# KiCad board output.Panel_R0.5.1_300x300_2layer_step1_Modified.kicad_pcb (continued)
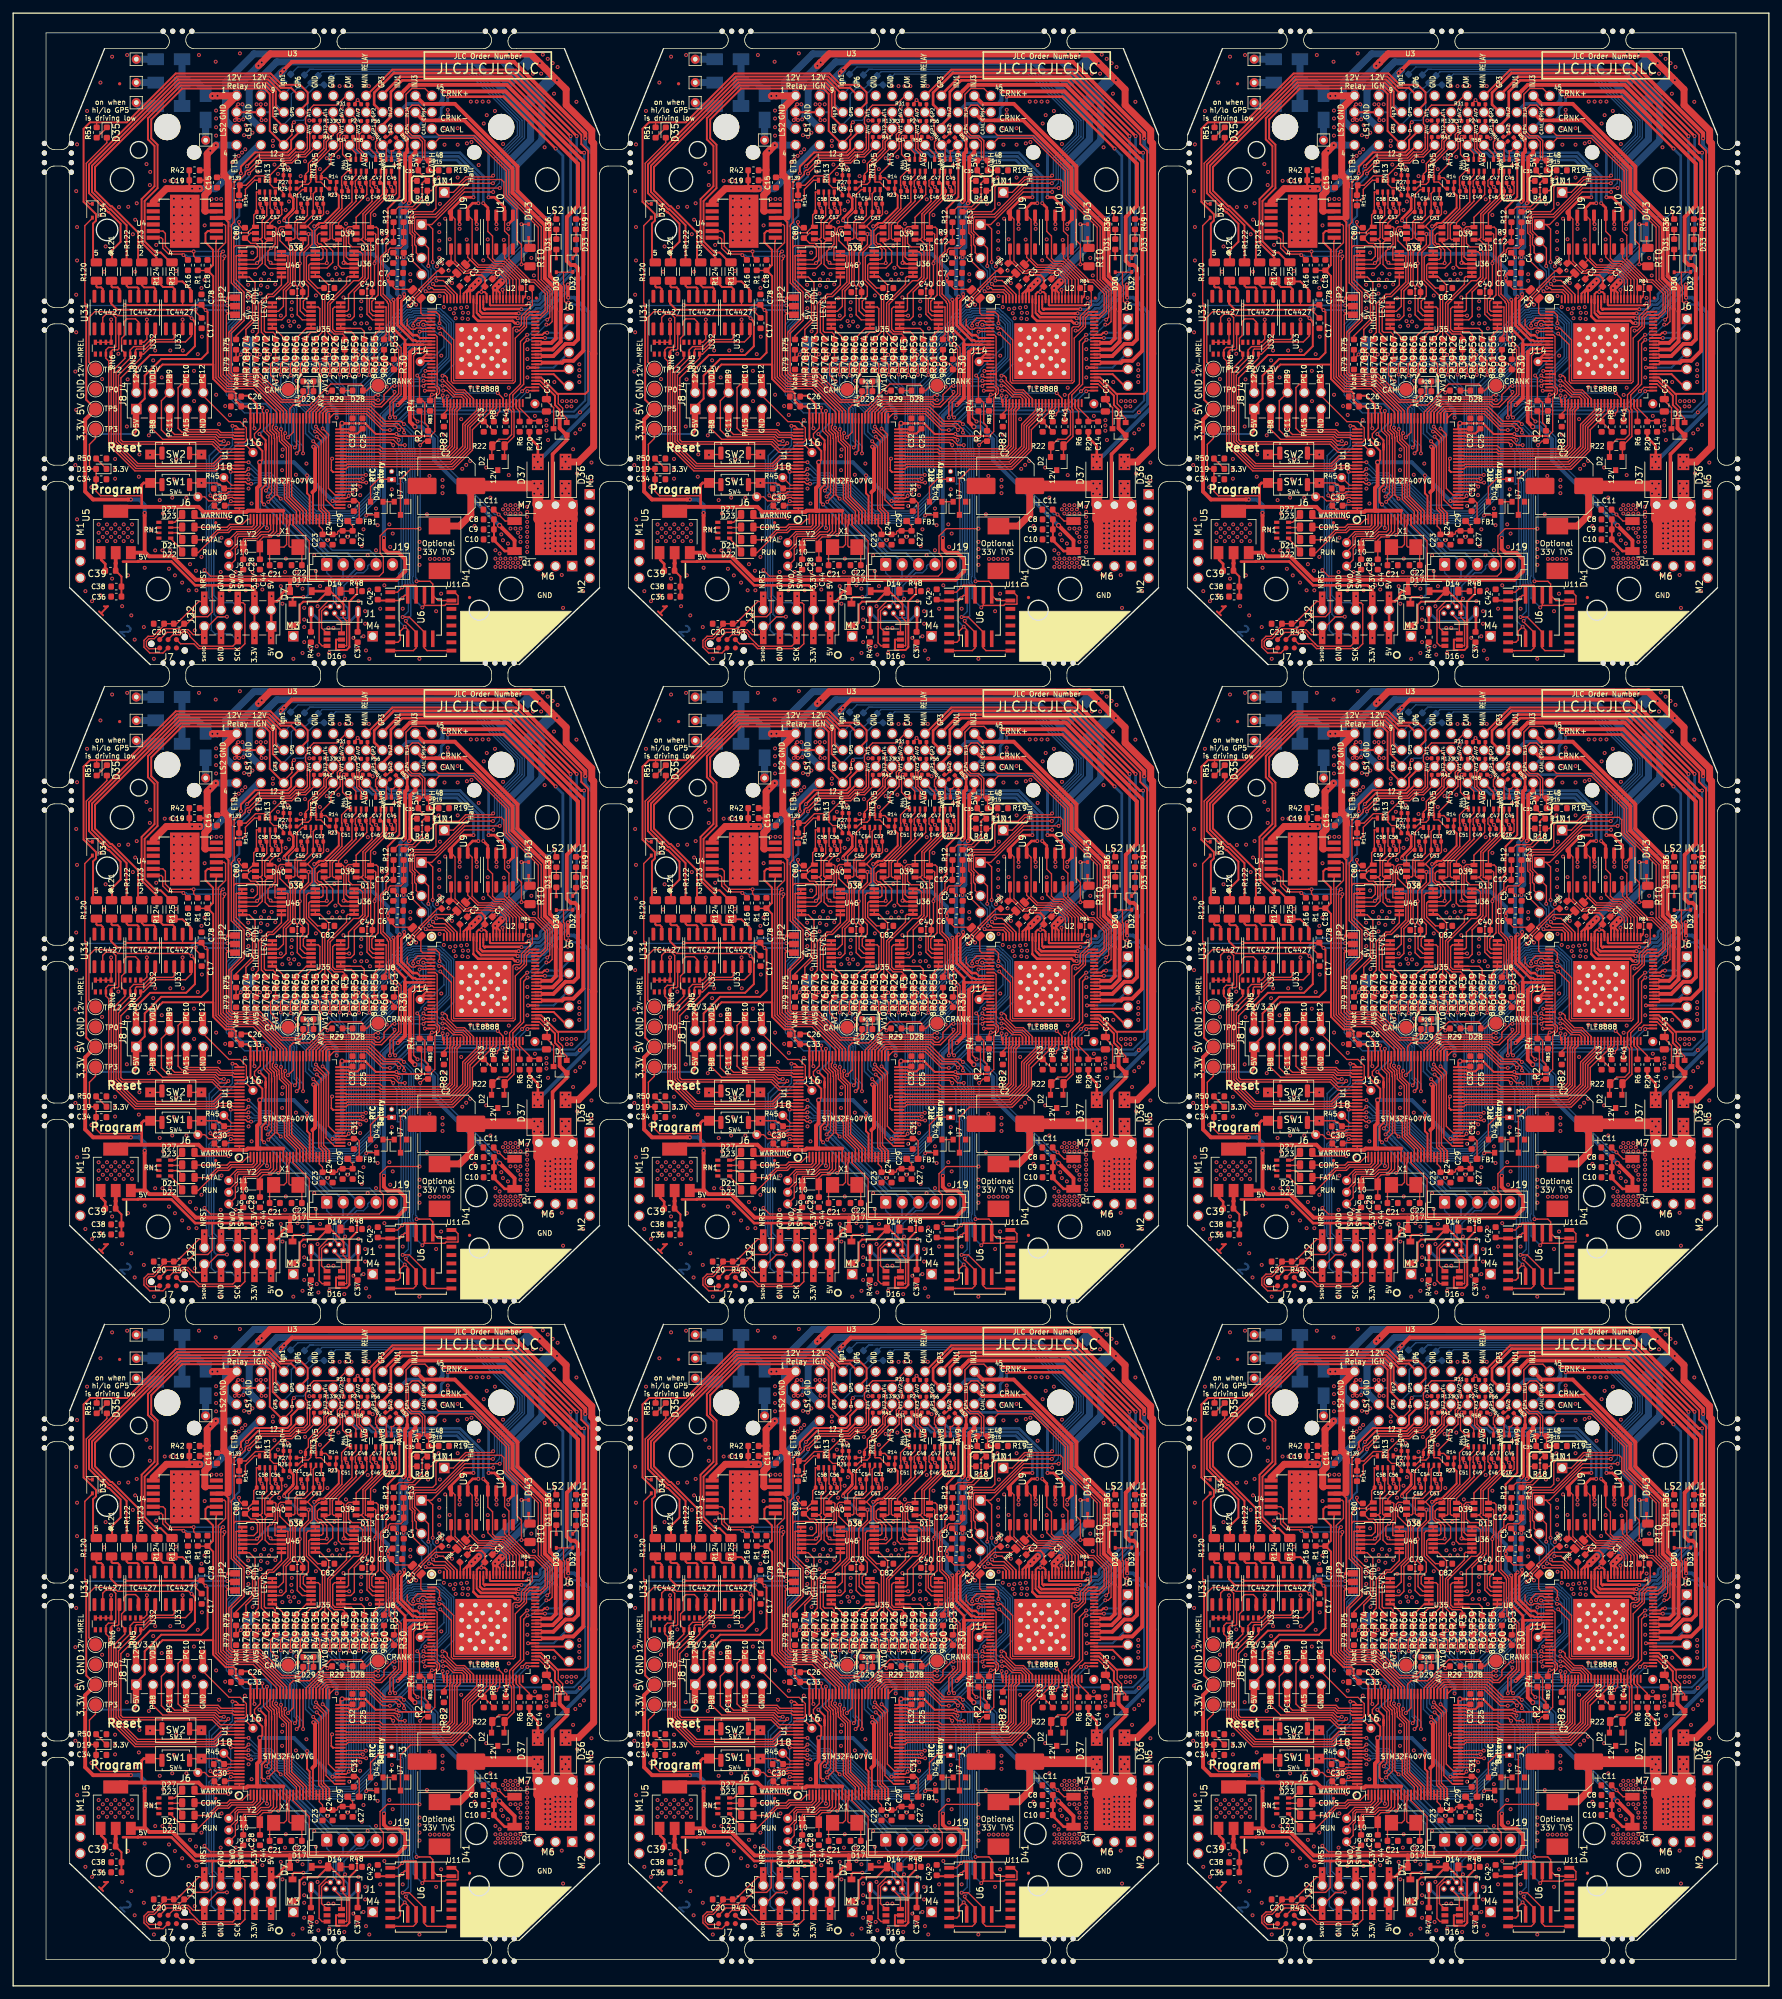
[diagram p0: board, top side]
## Nets (continued)
Net-(C50-Pad1): C50.1 C50#2.1 C50#3.1 C50#4.1 C50#5.1 C50#6.1 C50#7.1 C50#8.1 C50#9.1 D39.6 D39#2.6 D39#3.6 D39#4.6 D39#5.6 D39#6.6 D39#7.6 D39#8.6 D39#9.6 RN4.6 RN4#2.6 RN4#3.6 RN4#4.6 RN4#5.6 RN4#6.6 RN4#7.6 RN4#8.6 RN4#9.6 U36.5 U36#2.5 U36#3.5 U36#4.5 U36#5.5 U36#6.5 U36#7.5 U36#8.5 U36#9.5
Net-(C51-Pad1): C51.1 C51#2.1 C51#3.1 C51#4.1 C51#5.1 C51#6.1 C51#7.1 C51#8.1 C51#9.1 D39.4 D39#2.4 D39#3.4 D39#4.4 D39#5.4 D39#6.4 D39#7.4 D39#8.4 D39#9.4 RN4.5 RN4#2.5 RN4#3.5 RN4#4.5 RN4#5.5 RN4#6.5 RN4#7.5 RN4#8.5 RN4#9.5 U36.3 U36#2.3 U36#3.3 U36#4.3 U36#5.3 U36#6.3 U36#7.3 U36#8.3 U36#9.3
Net-(C52-Pad1): C52.1 C52#2.1 C52#3.1 C52#4.1 C52#5.1 C52#6.1 C52#7.1 C52#8.1 C52#9.1 D38.6 D38#2.6 D38#3.6 D38#4.6 D38#5.6 D38#6.6 D38#7.6 D38#8.6 D38#9.6 RN3.8 RN3#2.8 RN3#3.8 RN3#4.8 RN3#5.8 RN3#6.8 RN3#7.8 RN3#8.8 RN3#9.8 U35.5 U35#2.5 U35#3.5 U35#4.5 U35#5.5 U35#6.5 U35#7.5 U35#8.5 U35#9.5
Net-(C53-Pad1): C53.1 C53#2.1 C53#3.1 C53#4.1 C53#5.1 C53#6.1 C53#7.1 C53#8.1 C53#9.1 D38.4 D38#2.4 D38#3.4 D38#4.4 D38#5.4 D38#6.4 D38#7.4 D38#8.4 D38#9.4 RN3.7 RN3#2.7 RN3#3.7 RN3#4.7 RN3#5.7 RN3#6.7 RN3#7.7 RN3#8.7 RN3#9.7 U35.3 U35#2.3 U35#3.3 U35#4.3 U35#5.3 U35#6.3 U35#7.3 U35#8.3 U35#9.3
Net-(C54-Pad1): C54.1 C54#2.1 C54#3.1 C54#4.1 C54#5.1 C54#6.1 C54#7.1 C54#8.1 C54#9.1 D38.3 D38#2.3 D38#3.3 D38#4.3 D38#5.3 D38#6.3 D38#7.3 D38#8.3 D38#9.3 RN3.6 RN3#2.6 RN3#3.6 RN3#4.6 RN3#5.6 RN3#6.6 RN3#7.6 RN3#8.6 RN3#9.6 U35.12 U35#2.12 U35#3.12 U35#4.12 U35#5.12 U35#6.12 U35#7.12 U35#8.12 U35#9.12
Net-(C55-Pad1): C55.1 C55#2.1 C55#3.1 C55#4.1 C55#5.1 C55#6.1 C55#7.1 C55#8.1 C55#9.1 D38.1 D38#2.1 D38#3.1 D38#4.1 D38#5.1 D38#6.1 D38#7.1 D38#8.1 D38#9.1 RN3.5 RN3#2.5 RN3#3.5 RN3#4.5 RN3#5.5 RN3#6.5 RN3#7.5 RN3#8.5 RN3#9.5 U35.10 U35#2.10 U35#3.10 U35#4.10 U35#5.10 U35#6.10 U35#7.10 U35#8.10 U35#9.10
Net-(C56-Pad1): C56.1 C56#2.1 C56#3.1 C56#4.1 C56#5.1 C56#6.1 C56#7.1 C56#8.1 C56#9.1 D40.3 D40#2.3 D40#3.3 D40#4.3 D40#5.3 D40#6.3 D40#7.3 D40#8.3 D40#9.3 RN13.8 RN13#2.8 RN13#3.8 RN13#4.8 RN13#5.8 RN13#6.8 RN13#7.8 RN13#8.8 RN13#9.8 U46.12 U46#2.12 U46#3.12 U46#4.12 U46#5.12 U46#6.12 U46#7.12 U46#8.12 U46#9.12
Net-(C57-Pad1): C57.1 C57#2.1 C57#3.1 C57#4.1 C57#5.1 C57#6.1 C57#7.1 C57#8.1 C57#9.1 D40.1 D40#2.1 D40#3.1 D40#4.1 D40#5.1 D40#6.1 D40#7.1 D40#8.1 D40#9.1 RN13.7 RN13#2.7 RN13#3.7 RN13#4.7 RN13#5.7 RN13#6.7 RN13#7.7 RN13#8.7 RN13#9.7 U46.10 U46#2.10 U46#3.10 U46#4.10 U46#5.10 U46#6.10 U46#7.10 U46#8.10 U46#9.10
Net-(C58-Pad1): C58.1 C58#2.1 C58#3.1 C58#4.1 C58#5.1 C58#6.1 C58#7.1 C58#8.1 C58#9.1 D40.6 D40#2.6 D40#3.6 D40#4.6 D40#5.6 D40#6.6 D40#7.6 D40#8.6 D40#9.6 RN13.6 RN13#2.6 RN13#3.6 RN13#4.6 RN13#5.6 RN13#6.6 RN13#7.6 RN13#8.6 RN13#9.6 U46.5 U46#2.5 U46#3.5 U46#4.5 U46#5.5 U46#6.5 U46#7.5 U46#8.5 U46#9.5
Net-(D3-Pad2): D3.2 D3#2.2 D3#3.2 D3#4.2 D3#5.2 D3#6.2 D3#7.2 D3#8.2 D3#9.2 J5.1 J5#2.1 J5#3.1 J5#4.1 J5#5.1 J5#6.1 J5#7.1 J5#8.1 J5#9.1
Net-(D4-Pad2): D4.2 D4#2.2 D4#3.2 D4#4.2 D4#5.2 D4#6.2 D4#7.2 D4#8.2 D4#9.2 J3.1 J3#2.1 J3#3.1 J3#4.1 J3#5.1 J3#6.1 J3#7.1 J3#8.1 J3#9.1
Net-(D5-Pad2): D5.2 D5#2.2 D5#3.2 D5#4.2 D5#5.2 D5#6.2 D5#7.2 D5#8.2 D5#9.2 J13.1 J13#2.1 J13#3.1 J13#4.1 J13#5.1 J13#6.1 J13#7.1 J13#8.1 J13#9.1
Net-(D6-Pad2): D6.2 D6#2.2 D6#3.2 D6#4.2 D6#5.2 D6#6.2 D6#7.2 D6#8.2 D6#9.2 J12.1 J12#2.1 J12#3.1 J12#4.1 J12#5.1 J12#6.1 J12#7.1 J12#8.1 J12#9.1
Net-(D14-Pad1): D14.1 D14#2.1 D14#3.1 D14#4.1 D14#5.1 D14#6.1 D14#7.1 D14#8.1 D14#9.1 R48.2 R48#2.2 R48#3.2 R48#4.2 R48#5.2 R48#6.2 R48#7.2 R48#8.2 R48#9.2
Net-(D19-Pad1): D19.1 D19#2.1 D19#3.1 D19#4.1 D19#5.1 D19#6.1 D19#7.1 D19#8.1 D19#9.1 R50.2 R50#2.2 R50#3.2 R50#4.2 R50#5.2 R50#6.2 R50#7.2 R50#8.2 R50#9.2
Net-(D21-Pad1): D21.1 D21#2.1 D21#3.1 D21#4.1 D21#5.1 D21#6.1 D21#7.1 D21#8.1 D21#9.1 RN1.2 RN1#2.2 RN1#3.2 RN1#4.2 RN1#5.2 RN1#6.2 RN1#7.2 RN1#8.2 RN1#9.2
Net-(D22-Pad1): D22.1 D22#2.1 D22#3.1 D22#4.1 D22#5.1 D22#6.1 D22#7.1 D22#8.1 D22#9.1 RN1.1 RN1#2.1 RN1#3.1 RN1#4.1 RN1#5.1 RN1#6.1 RN1#7.1 RN1#8.1 RN1#9.1
Net-(D23-Pad1): D23.1 D23#2.1 D23#3.1 D23#4.1 D23#5.1 D23#6.1 D23#7.1 D23#8.1 D23#9.1 RN1.3 RN1#2.3 RN1#3.3 RN1#4.3 RN1#5.3 RN1#6.3 RN1#7.3 RN1#8.3 RN1#9.3
Net-(D27-Pad1): D27.1 D27#2.1 D27#3.1 D27#4.1 D27#5.1 D27#6.1 D27#7.1 D27#8.1 D27#9.1 RN1.4 RN1#2.4 RN1#3.4 RN1#4.4 RN1#5.4 RN1#6.4 RN1#7.4 RN1#8.4 RN1#9.4
Net-(D28-Pad1): D28.1 D28#2.1 D28#3.1 D28#4.1 D28#5.1 D28#6.1 D28#7.1 D28#8.1 D28#9.1 R29.1 R29#2.1 R29#3.1 R29#4.1 R29#5.1 R29#6.1 R29#7.1 R29#8.1 R29#9.1
Net-(D29-Pad1): D29.1 D29#2.1 D29#3.1 D29#4.1 D29#5.1 D29#6.1 D29#7.1 D29#8.1 D29#9.1 R28.2 R28#2.2 R28#3.2 R28#4.2 R28#5.2 R28#6.2 R28#7.2 R28#8.2 R28#9.2
Net-(D30-Pad1): D30.1 D30#2.1 D30#3.1 D30#4.1 D30#5.1 D30#6.1 D30#7.1 D30#8.1 D30#9.1 D31.2 D31#2.2 D31#3.2 D31#4.2 D31#5.2 D31#6.2 D31#7.2 D31#8.2 D31#9.2
Net-(D31-Pad1): D31.1 D31#2.1 D31#3.1 D31#4.1 D31#5.1 D31#6.1 D31#7.1 D31#8.1 D31#9.1 R36.1 R36#2.1 R36#3.1 R36#4.1 R36#5.1 R36#6.1 R36#7.1 R36#8.1 R36#9.1
Net-(D32-Pad1): D32.1 D32#2.1 D32#3.1 D32#4.1 D32#5.1 D32#6.1 D32#7.1 D32#8.1 D32#9.1 D33.2 D33#2.2 D33#3.2 D33#4.2 D33#5.2 D33#6.2 D33#7.2 D33#8.2 D33#9.2
Net-(D33-Pad1): D33.1 D33#2.1 D33#3.1 D33#4.1 D33#5.1 D33#6.1 D33#7.1 D33#8.1 D33#9.1 R49.1 R49#2.1 R49#3.1 R49#4.1 R49#5.1 R49#6.1 R49#7.1 R49#8.1 R49#9.1
Net-(D34-Pad1): D34.1 D34#2.1 D34#3.1 D34#4.1 D34#5.1 D34#6.1 D34#7.1 D34#8.1 D34#9.1 D35.2 D35#2.2 D35#3.2 D35#4.2 D35#5.2 D35#6.2 D35#7.2 D35#8.2 D35#9.2
Net-(D35-Pad1): D35.1 D35#2.1 D35#3.1 D35#4.1 D35#5.1 D35#6.1 D35#7.1 D35#8.1 D35#9.1 R51.1 R51#2.1 R51#3.1 R51#4.1 R51#5.1 R51#6.1 R51#7.1 R51#8.1 R51#9.1
Net-(D43-Pad1): D43.1 D43#2.1 D43#3.1 D43#4.1 D43#5.1 D43#6.1 D43#7.1 D43#8.1 D43#9.1 R10.1 R10#2.1 R10#3.1 R10#4.1 R10#5.1 R10#6.1 R10#7.1 R10#8.1 R10#9.1
Net-(NT1-Pad1): NT1.1 NT1#2.1 NT1#3.1 NT1#4.1 NT1#5.1 NT1#6.1 NT1#7.1 NT1#8.1 NT1#9.1 U1.68 U1#2.68 U1#3.68 U1#4.68 U1#5.68 U1#6.68 U1#7.68 U1#8.68 U1#9.68
Net-(R5-Pad2): R5.2 R5#2.2 R5#3.2 R5#4.2 R5#5.2 R5#6.2 R5#7.2 R5#8.2 R5#9.2 U36.13 U36.14 U36#2.13 U36#2.14 U36#3.13 U36#3.14 U36#4.13 U36#4.14 U36#5.13 U36#5.14 U36#6.13 U36#6.14 U36#7.13 U36#7.14 U36#8.13 U36#8.14 U36#9.13 U36#9.14
Net-(R8-Pad2): R8.2 R8#2.2 R8#3.2 R8#4.2 R8#5.2 R8#6.2 R8#7.2 R8#8.2 R8#9.2 U2.42 U2#2.42 U2#3.42 U2#4.42 U2#5.42 U2#6.42 U2#7.42 U2#8.42 U2#9.42
Net-(R26-Pad2): R26.2 R26#2.2 R26#3.2 R26#4.2 R26#5.2 R26#6.2 R26#7.2 R26#8.2 R26#9.2 U36.8 U36.9 U36#2.8 U36#2.9 U36#3.8 U36#3.9 U36#4.8 U36#4.9 U36#5.8 U36#5.9 U36#6.8 U36#6.9 U36#7.8 U36#7.9 U36#8.8 U36#8.9 U36#9.8 U36#9.9
Net-(R32-Pad2): R32.2 R32#2.2 R32#3.2 R32#4.2 R32#5.2 R32#6.2 R32#7.2 R32#8.2 R32#9.2 U36.6 U36.7 U36#2.6 U36#2.7 U36#3.6 U36#3.7 U36#4.6 U36#4.7 U36#5.6 U36#5.7 U36#6.6 U36#6.7 U36#7.6 U36#7.7 U36#8.6 U36#8.7 U36#9.6 U36#9.7
Net-(R35-Pad2): R35.2 R35#2.2 R35#3.2 R35#4.2 R35#5.2 R35#6.2 R35#7.2 R35#8.2 R35#9.2 U36.1 U36.2 U36#2.1 U36#2.2 U36#3.1 U36#3.2 U36#4.1 U36#4.2 U36#5.1 U36#5.2 U36#6.1 U36#6.2 U36#7.1 U36#7.2 U36#8.1 U36#8.2 U36#9.1 U36#9.2
Net-(R53-Pad2): R53.2 R53#2.2 R53#3.2 R53#4.2 R53#5.2 R53#6.2 R53#7.2 R53#8.2 R53#9.2 U8.6 U8.7 U8#2.6 U8#2.7 U8#3.6 U8#3.7 U8#4.6 U8#4.7 U8#5.6 U8#5.7 U8#6.6 U8#6.7 U8#7.6 U8#7.7 U8#8.6 U8#8.7 U8#9.6 U8#9.7
Net-(R55-Pad2): R55.2 R55#2.2 R55#3.2 R55#4.2 R55#5.2 R55#6.2 R55#7.2 R55#8.2 R55#9.2 U8.1 U8.2 U8#2.1 U8#2.2 U8#3.1 U8#3.2 U8#4.1 U8#4.2 U8#5.1 U8#5.2 U8#6.1 U8#6.2 U8#7.1 U8#7.2 U8#8.1 U8#8.2 U8#9.1 U8#9.2
Net-(R57-Pad2): R57.2 R57#2.2 R57#3.2 R57#4.2 R57#5.2 R57#6.2 R57#7.2 R57#8.2 R57#9.2 U8.13 U8.14 U8#2.13 U8#2.14 U8#3.13 U8#3.14 U8#4.13 U8#4.14 U8#5.13 U8#5.14 U8#6.13 U8#6.14 U8#7.13 U8#7.14 U8#8.13 U8#8.14 U8#9.13 U8#9.14
Net-(R59-Pad2): R59.2 R59#2.2 R59#3.2 R59#4.2 R59#5.2 R59#6.2 R59#7.2 R59#8.2 R59#9.2 U8.8 U8.9 U8#2.8 U8#2.9 U8#3.8 U8#3.9 U8#4.8 U8#4.9 U8#5.8 U8#5.9 U8#6.8 U8#6.9 U8#7.8 U8#7.9 U8#8.8 U8#8.9 U8#9.8 U8#9.9
Net-(R64-Pad2): R64.2 R64#2.2 R64#3.2 R64#4.2 R64#5.2 R64#6.2 R64#7.2 R64#8.2 R64#9.2 U35.6 U35.7 U35#2.6 U35#2.7 U35#3.6 U35#3.7 U35#4.6 U35#4.7 U35#5.6 U35#5.7 U35#6.6 U35#6.7 U35#7.6 U35#7.7 U35#8.6 U35#8.7 U35#9.6 U35#9.7
Net-(R65-Pad2): R65.2 R65#2.2 R65#3.2 R65#4.2 R65#5.2 R65#6.2 R65#7.2 R65#8.2 R65#9.2 U35.1 U35.2 U35#2.1 U35#2.2 U35#3.1 U35#3.2 U35#4.1 U35#4.2 U35#5.1 U35#5.2 U35#6.1 U35#6.2 U35#7.1 U35#7.2 U35#8.1 U35#8.2 U35#9.1 U35#9.2
Net-(R66-Pad2): R66.2 R66#2.2 R66#3.2 R66#4.2 R66#5.2 R66#6.2 R66#7.2 R66#8.2 R66#9.2 U35.13 U35.14 U35#2.13 U35#2.14 U35#3.13 U35#3.14 U35#4.13 U35#4.14 U35#5.13 U35#5.14 U35#6.13 U35#6.14 U35#7.13 U35#7.14 U35#8.13 U35#8.14 U35#9.13 U35#9.14
Net-(R67-Pad2): R67.2 R67#2.2 R67#3.2 R67#4.2 R67#5.2 R67#6.2 R67#7.2 R67#8.2 R67#9.2 U35.8 U35.9 U35#2.8 U35#2.9 U35#3.8 U35#3.9 U35#4.8 U35#4.9 U35#5.8 U35#5.9 U35#6.8 U35#6.9 U35#7.8 U35#7.9 U35#8.8 U35#8.9 U35#9.8 U35#9.9
Net-(R72-Pad2): R72.2 R72#2.2 R72#3.2 R72#4.2 R72#5.2 R72#6.2 R72#7.2 R72#8.2 R72#9.2 U46.13 U46.14 U46#2.13 U46#2.14 U46#3.13 U46#3.14 U46#4.13 U46#4.14 U46#5.13 U46#5.14 U46#6.13 U46#6.14 U46#7.13 U46#7.14 U46#8.13 U46#8.14 U46#9.13 U46#9.14
Net-(R73-Pad2): R73.2 R73#2.2 R73#3.2 R73#4.2 R73#5.2 R73#6.2 R73#7.2 R73#8.2 R73#9.2 U46.8 U46.9 U46#2.8 U46#2.9 U46#3.8 U46#3.9 U46#4.8 U46#4.9 U46#5.8 U46#5.9 U46#6.8 U46#6.9 U46#7.8 U46#7.9 U46#8.8 U46#8.9 U46#9.8 U46#9.9
Net-(R74-Pad2): R74.2 R74#2.2 R74#3.2 R74#4.2 R74#5.2 R74#6.2 R74#7.2 R74#8.2 R74#9.2 U46.6 U46.7 U46#2.6 U46#2.7 U46#3.6 U46#3.7 U46#4.6 U46#4.7 U46#5.6 U46#5.7 U46#6.6 U46#6.7 U46#7.6 U46#7.7 U46#8.6 U46#8.7 U46#9.6 U46#9.7
Net-(R75-Pad2): R75.2 R75#2.2 R75#3.2 R75#4.2 R75#5.2 R75#6.2 R75#7.2 R75#8.2 R75#9.2 U46.1 U46.2 U46#2.1 U46#2.2 U46#3.1 U46#3.2 U46#4.1 U46#4.2 U46#5.1 U46#5.2 U46#6.1 U46#6.2 U46#7.1 U46#7.2 U46#8.1 U46#8.2 U46#9.1 U46#9.2
Net-(R120-Pad2): R120.2 R120#2.2 R120#3.2 R120#4.2 R120#5.2 R120#6.2 R120#7.2 R120#8.2 R120#9.2 U31.7 U31#2.7 U31#3.7 U31#4.7 U31#5.7 U31#6.7 U31#7.7 U31#8.7 U31#9.7
Net-(R121-Pad2): R121.2 R121#2.2 R121#3.2 R121#4.2 R121#5.2 R121#6.2 R121#7.2 R121#8.2 R121#9.2 U31.5 U31#2.5 U31#3.5 U31#4.5 U31#5.5 U31#6.5 U31#7.5 U31#8.5 U31#9.5
Net-(R122-Pad2): R122.2 R122#2.2 R122#3.2 R122#4.2 R122#5.2 R122#6.2 R122#7.2 R122#8.2 R122#9.2 U32.7 U32#2.7 U32#3.7 U32#4.7 U32#5.7 U32#6.7 U32#7.7 U32#8.7 U32#9.7
Net-(R123-Pad2): R123.2 R123#2.2 R123#3.2 R123#4.2 R123#5.2 R123#6.2 R123#7.2 R123#8.2 R123#9.2 U32.5 U32#2.5 U32#3.5 U32#4.5 U32#5.5 U32#6.5 U32#7.5 U32#8.5 U32#9.5
Net-(R124-Pad2): R124.2 R124#2.2 R124#3.2 R124#4.2 R124#5.2 R124#6.2 R124#7.2 R124#8.2 R124#9.2 U33.7 U33#2.7 U33#3.7 U33#4.7 U33#5.7 U33#6.7 U33#7.7 U33#8.7 U33#9.7
Net-(R125-Pad2): R125.2 R125#2.2 R125#3.2 R125#4.2 R125#5.2 R125#6.2 R125#7.2 R125#8.2 R125#9.2 U33.5 U33#2.5 U33#3.5 U33#4.5 U33#5.5 U33#6.5 U33#7.5 U33#8.5 U33#9.5
Net-(R139-Pad1): R139.1 R139#2.1 R139#3.1 R139#4.1 R139#5.1 R139#6.1 R139#7.1 R139#8.1 R139#9.1 R141.1 R141#2.1 R141#3.1 R141#4.1 R141#5.1 R141#6.1 R141#7.1 R141#8.1 R141#9.1 RN13.3 RN13#2.3 RN13#3.3 RN13#4.3 RN13#5.3 RN13#6.3 RN13#7.3 RN13#8.3 RN13#9.3

Pads without a net: J15 1; J15#2 1; J15#3 1; J15#4 1; J15#5 1; J15#6 1; J15#7 1; J15#8 1; J15#9 1; J17 1; J17#2 1; J17#3 1; J17#4 1; J17#5 1; J17#6 1; J17#7 1; J17#8 1; J17#9 1; RN6 5 6; RN6#2 5 6; RN6#3 5 6; RN6#4 5 6; RN6#5 5 6; RN6#6 5 6; RN6#7 5 6; RN6#8 5 6; RN6#9 5 6; U2 17 18 69 70 71 72; U2#2 17 18 69 70 71 72; U2#3 17 18 69 70 71 72; U2#4 17 18 69 70 71 72; U2#5 17 18 69 70 71 72; U2#6 17 18 69 70 71 72; U2#7 17 18 69 70 71 72; U2#8 17 18 69 70 71 72; U2#9 17 18 69 70 71 72; U3 M3 M4 M11 M12 M13 M21 M22 M23 M51 M52 M53 M61 M62 M63; U3#2 M3 M4 M11 M12 M13 M21 M22 M23 M51 M52 M53 M61 M62 M63; U3#3 M3 M4 M11 M12 M13 M21 M22 M23 M51 M52 M53 M61 M62 M63; U3#4 M3 M4 M11 M12 M13 M21 M22 M23 M51 M52 M53 M61 M62 M63; U3#5 M3 M4 M11 M12 M13 M21 M22 M23 M51 M52 M53 M61 M62 M63; U3#6 M3 M4 M11 M12 M13 M21 M22 M23 M51 M52 M53 M61 M62 M63; U3#7 M3 M4 M11 M12 M13 M21 M22 M23 M51 M52 M53 M61 M62 M63; U3#8 M3 M4 M11 M12 M13 M21 M22 M23 M51 M52 M53 M61 M62 M63; U3#9 M3 M4 M11 M12 M13 M21 M22 M23 M51 M52 M53 M61 M62 M63; U9 2 4; U9#2 2 4; U9#3 2 4; U9#4 2 4; U9#5 2 4; U9#6 2 4; U9#7 2 4; U9#8 2 4; U9#9 2 4; U10 2 4; U10#2 2 4; U10#3 2 4; U10#4 2 4; U10#5 2 4; U10#6 2 4; U10#7 2 4; U10#8 2 4; U10#9 2 4; U11 3 4 5 6 11 12 13 14; U11#2 3 4 5 6 11 12 13 14; U11#3 3 4 5 6 11 12 13 14; U11#4 3 4 5 6 11 12 13 14; U11#5 3 4 5 6 11 12 13 14; U11#6 3 4 5 6 11 12 13 14; U11#7 3 4 5 6 11 12 13 14; U11#8 3 4 5 6 11 12 13 14; U11#9 3 4 5 6 11 12 13 14; U31 1 8; U31#2 1 8; U31#3 1 8; U31#4 1 8; U31#5 1 8; U31#6 1 8; U31#7 1 8; U31#8 1 8; U31#9 1 8; U32 1 8; U32#2 1 8; U32#3 1 8; U32#4 1 8; U32#5 1 8; U32#6 1 8; U32#7 1 8; U32#8 1 8; U32#9 1 8; U33 1 8; U33#2 1 8; U33#3 1 8; U33#4 1 8; U33#5 1 8; U33#6 1 8; U33#7 1 8; U33#8 1 8; U33#9 1 8

## Via types
v1: diameter 0.6, hole 0.3, Top to Bottom, 7569 vias
v2: diameter 0.79, hole 0.434, Top to Bottom, 36 vias

## Routing (per net, layer and track width the routed paths; a pad name or vN(x,y) marks a point on that pad's centre or on a via; arc(x,y) is an arc through that point)
/5V: length 4141.5
  Top w0.203: v1(169.44,255.99) 169.02,255.99 168.84,256.17 168.84,258.57 168.7,258.72 168.7,260.6 ; 168.7,260.6 D30#2.2 ; 168.7,260.6 170.05,260.6 D32#2.2 ; v1(132.7,262) 132.58,261.88 U36#2.4 ; 110.7,255.6 110.77,255.67 U33#2.6 ; 145.89,257.81 145.7,258 143.15,258 142.72,258.43 142.72,258.9 ; v1(117.58,254.67) 118.12,254.13 JP2#2.1 ; U46#2.4 121.92,261.82 v1(122.1,262) ; 105.3,255.6 105.33,255.63 U32#2.6 ; v1(254.44,255.99) 254.02,255.99 253.84,256.17 253.84,258.57 253.7,258.72 253.7,260.6 ; 253.7,260.6 D30#3.2 ; 253.7,260.6 255.05,260.6 D32#3.2 ; v1(217.7,262) 217.58,261.88 U36#3.4 ; U33#3.6 195.77,255.67 195.7,255.6 ; v1(202.58,254.67) 203.12,254.13 JP2#3.1 ; 230.89,257.81 230.7,258 228.15,258 227.73,258.43 227.73,258.9 ; v1(207.1,262) 206.92,261.82 U46#3.4 ; 190.3,255.6 190.33,255.63 U32#3.6 ; v1(254.44,158.99) 254.02,158.99 253.84,159.17 253.84,161.57 253.7,161.72 253.7,163.6 ; 253.7,163.6 D30#5.2 ; 253.7,163.6 255.05,163.6 D32#5.2 ; v1(169.44,158.99) 169.02,158.99 168.84,159.17 168.84,161.57 168.7,161.72 168.7,163.6 ; 168.7,163.6 D30#4.2 ; 168.7,163.6 170.05,163.6 D32#4.2 ; v1(84.44,158.99) 84.02,158.99 83.84,159.17 83.84,161.57 83.7,161.72 83.7,163.6 ; 83.7,163.6 D30#6.2 ; 83.7,163.6 85.05,163.6 D32#6.2 ; v1(47.7,165) 47.58,164.88 U36#6.4 ; 25.7,158.6 25.77,158.67 U33#6.6 ; 60.89,160.81 60.7,161 58.15,161 57.72,161.43 57.72,161.9 ; v1(32.58,157.67) 33.11,157.13 JP2#6.1 ; U46#6.4 36.92,164.82 v1(37.1,165) ; 20.3,158.6 20.33,158.63 U32#6.6 ; v1(132.7,165) 132.58,164.88 U36#4.4 ; U33#5.6 110.77,158.67 110.7,158.6 ; v1(117.58,157.67) 118.12,157.13 JP2#4.1 ; 145.89,160.81 145.7,161 143.15,161 142.72,161.43 142.72,161.9 ; v1(122.1,165) 121.92,164.82 U46#4.4 ; 105.3,158.6 105.33,158.63 U32#5.6 ; v1(217.7,165) 217.58,164.88 U36#5.4 ; U33#4.6 195.77,158.67 195.7,158.6 ; v1(202.58,157.67) 203.12,157.13 JP2#5.1 ; 190.3,158.6 190.33,158.63 U32#4.6 ; 230.89,160.81 230.7,161 228.15,161 227.73,161.43 227.73,161.9 ; U46#5.4 206.92,164.82 v1(207.1,165) ; v1(254.44,61.99) 254.02,61.99 253.84,62.17 253.84,64.57 253.7,64.72 253.7,66.6 ; 253.7,66.6 D30#7.2 ; 253.7,66.6 255.05,66.6 D32#8.2 ; 168.7,66.6 168.7,64.72 168.84,64.57 168.84,62.17 169.02,61.99 v1(169.44,61.99) ; 168.7,66.6 D30#8.2 ; 168.7,66.6 170.05,66.6 D32#7.2 ; v1(84.44,61.99) 84.02,61.99 83.84,62.17 83.84,64.57 83.7,64.72 83.7,66.6 ; 83.7,66.6 D30#9.2 ; 83.7,66.6 85.05,66.6 D32#9.2 ; v1(47.7,68) 47.58,67.88 U36#9.4 ; 25.7,61.6 25.77,61.67 U33#9.6 ; v1(32.58,60.67) 33.11,60.13 JP2#9.1 ; U46#9.4 36.92,67.82 v1(37.1,68) ; 20.3,61.6 20.33,61.63 U32#9.6 ; 57.72,64.9 57.72,64.43 58.15,64 60.7,64 60.89,63.81 ; v1(132.7,68) 132.58,67.88 U36#8.4 ; U33#8.6 110.77,61.67 110.7,61.6 ; v1(117.58,60.67) 118.12,60.13 JP2#7.1 ; 145.89,63.81 145.7,64 143.15,64 142.72,64.43 142.72,64.9 ; v1(122.1,68) 121.92,67.82 U46#8.4 ; U32#8.6 105.33,61.63 105.3,61.6 ; v1(202.58,60.67) 203.12,60.13 JP2#8.1 ; v1(217.7,68) 217.58,67.88 U36#7.4 ; U33#7.6 195.77,61.67 195.7,61.6 ; 227.73,64.9 227.73,64.43 228.15,64 230.7,64 230.89,63.81 ; 190.3,61.6 190.33,61.63 U32#7.6 ; U46#7.4 206.92,67.82 v1(207.1,68) ; U32.6 20.33,255.63 20.3,255.6 ; D30.2 83.7,260.6 ; 83.7,260.6 85.05,260.6 D32.2 ; 83.7,260.6 83.7,258.72 83.84,258.57 83.84,256.17 84.02,255.99 v1(84.44,255.99) ; U33.6 25.77,255.67 25.7,255.6 ; v1(32.58,254.67) 33.11,254.13 JP2.1 ; 57.72,258.9 57.72,258.43 58.15,258 60.7,258 60.89,257.81 ; U36.4 47.58,261.88 v1(47.7,262) ; v1(37.1,262) 36.92,261.82 U46.4
  Top w0.216: R14#2.2 134.06,274.2 R23#2.2 ; v1(117.58,254.67) 117.58,254.24 117.43,254.1 117.43,245.09 118.15,244.37 122.21,244.37 125.74,240.83 128.63,240.83 129.9,242.1 129.9,243.65 129.55,244 D29#2.2 ; R11#2.2 127.08,273.27 R25#2.2 R27#2.2 127.12,275.3 R40#2.2 ; v1(122.1,262) 122.52,262.42 122.52,264.38 121.91,264.99 121.14,264.99 120.35,265.78 121.12,266.56 D40#2.5 ; U36#2.4 130.18,261.88 129.96,261.67 129.96,259.54 131.3,258.2 132.16,258.2 ; 129.09,266.65 129.33,266.41 v1(129.91,266.41) 129.91,264.83 128.6,263.52 128.6,262 ; 139.95,262.35 v1(139.95,261.95) ; 139.95,262.35 139.95,258.65 139.64,258.34 C40#2.1 139.64,256.99 139.17,256.52 139.17,254.53 139.69,254.01 140.71,254.01 U8#2.4 ; 139.95,262.35 140.14,262.54 140.14,266.36 140,266.5 D13#2.5 ; 128.6,262 128.6,258.57 129.03,258.14 C79#2.1 129.03,256.88 128.65,256.5 128.65,254.72 129.37,254.01 U35#2.4 ; 128.6,262 v1(128.6,261.95) ; v1(132.7,262) 132.7,264 131.8,264.9 131.5,264.9 131.25,265.15 131.25,266.2 131.55,266.5 132.56,266.5 ; v1(96.1,255.54) 95.9,255.92 95.9,267.68 97.05,268.82 D34#2.2 ; R14#3.2 219.06,274.2 R23#3.2 ; R11#3.2 212.08,273.27 R25#3.2 R27#3.2 212.12,275.3 R40#3.2 ; D29#3.2 214.55,244 214.9,243.65 214.9,242.1 213.63,240.83 210.74,240.83 207.21,244.37 203.15,244.37 202.43,245.09 202.43,254.1 202.58,254.24 v1(202.58,254.67) ; v1(207.1,262) 207.52,262.42 207.52,264.38 206.91,264.99 206.14,264.99 205.35,265.78 206.12,266.56 D40#3.5 ; U36#3.4 215.18,261.88 214.96,261.67 214.96,259.54 216.3,258.2 217.16,258.2 ; 214.09,266.65 214.33,266.41 v1(214.91,266.41) 214.91,264.83 213.6,263.52 213.6,262 ; v1(217.7,262) 217.7,264 216.8,264.9 216.5,264.9 216.25,265.15 216.25,266.2 216.55,266.5 217.56,266.5 ; 213.6,262 213.6,258.57 214.03,258.14 C79#3.1 214.03,256.88 213.65,256.5 213.65,254.72 214.37,254.01 U35#3.4 ; 213.6,262 v1(213.6,261.95) ; 224.95,262.35 v1(224.95,261.95) ; 224.95,262.35 224.95,258.65 224.64,258.34 C40#3.1 224.64,256.99 224.17,256.52 224.17,254.53 224.69,254.01 225.71,254.01 U8#3.4 ; 224.95,262.35 225.14,262.54 225.14,266.36 225,266.5 D13#3.5 ; v1(181.1,255.54) 180.9,255.92 180.9,267.68 182.05,268.82 D34#3.2 ; R11#5.2 212.08,176.27 R25#5.2 R27#5.2 212.12,178.3 R40#5.2 ; R14#5.2 219.06,177.2 R23#5.2 ; D29#5.2 214.55,147 214.9,146.65 214.9,145.1 213.63,143.83 210.74,143.83 207.21,147.37 203.15,147.37 202.43,148.09 202.43,157.1 202.58,157.24 v1(202.58,157.67) ; v1(207.1,165) 207.52,165.42 207.52,167.38 206.91,167.99 206.14,167.99 205.35,168.78 206.12,169.56 D40#5.5 ; R14#6.2 134.06,177.2 R23#6.2 ; R11#6.2 127.08,176.27 R25#6.2 R27#6.2 127.12,178.3 R40#6.2 ; D29#6.2 129.55,147 129.9,146.65 129.9,145.1 128.63,143.83 125.74,143.83 122.21,147.37 118.15,147.37 117.43,148.09 117.43,157.1 117.58,157.24 v1(117.58,157.67) ; v1(122.1,165) 122.52,165.42 122.52,167.38 121.91,167.99 121.14,167.99 120.35,168.78 121.12,169.56 D40#6.5 ; R14#4.2 49.06,177.2 R23#4.2 ; v1(32.58,157.67) 32.58,157.24 32.43,157.1 32.43,148.09 33.15,147.37 37.21,147.37 40.74,143.83 43.63,143.83 44.9,145.1 44.9,146.65 44.55,147 D29#4.2 ; R11#4.2 42.08,176.27 R25#4.2 R27#4.2 42.12,178.3 R40#4.2 ; v1(37.1,165) 37.52,165.42 37.52,167.38 36.91,167.99 36.14,167.99 35.35,168.78 36.12,169.56 D40#4.5 ; U36#6.4 45.18,164.88 44.96,164.67 44.96,162.54 46.3,161.2 47.16,161.2 ; 44.09,169.65 44.33,169.41 v1(44.91,169.41) 44.91,167.83 43.6,166.52 43.6,165 ; 54.95,165.35 v1(54.95,164.95) ; 54.95,165.35 54.95,161.65 54.64,161.34 C40#6.1 54.64,159.99 54.17,159.52 54.17,157.53 54.69,157.01 55.71,157.01 U8#6.4 ; 54.95,165.35 55.14,165.54 55.14,169.36 55,169.5 D13#4.5 ; 43.6,165 43.6,161.57 44.03,161.14 C79#6.1 44.03,159.88 43.65,159.5 43.65,157.72 44.37,157.01 U35#4.4 ; 43.6,165 v1(43.6,164.95) ; v1(47.7,165) 47.7,167 46.8,167.9 46.5,167.9 46.25,168.15 46.25,169.2 46.55,169.5 47.56,169.5 ; v1(11.1,158.54) 10.9,158.92 10.9,170.68 12.05,171.82 D34#6.2 ; U36#4.4 130.18,164.88 129.96,164.67 129.96,162.54 131.3,161.2 132.16,161.2 ; 129.09,169.65 129.33,169.41 v1(129.91,169.41) 129.91,167.83 128.6,166.52 128.6,165 ; v1(132.7,165) 132.7,167 131.8,167.9 131.5,167.9 131.25,168.15 131.25,169.2 131.55,169.5 132.56,169.5 ; 128.6,165 128.6,161.57 129.03,161.14 C79#4.1 129.03,159.88 128.65,159.5 128.65,157.72 129.37,157.01 U35#6.4 ; 128.6,165 v1(128.6,164.95) ; 139.95,165.35 v1(139.95,164.95) ; 139.95,165.35 139.95,161.65 139.64,161.34 C40#4.1 139.64,159.99 139.17,159.52 139.17,157.53 139.69,157.01 140.71,157.01 U8#5.4 ; 139.95,165.35 140.14,165.54 140.14,169.36 140,169.5 D13#6.5 ; v1(96.1,158.54) 95.9,158.92 95.9,170.68 97.05,171.82 D34#4.2 ; 214.09,169.65 214.33,169.41 v1(214.91,169.41) 214.91,167.83 213.6,166.52 213.6,165 ; 217.16,161.2 216.3,161.2 214.96,162.54 214.96,164.67 215.18,164.88 U36#5.4 ; v1(217.7,165) 217.7,167 216.8,167.9 216.5,167.9 216.25,168.15 216.25,169.2 216.55,169.5 217.56,169.5 ; 213.6,165 213.6,161.57 214.03,161.14 C79#5.1 214.03,159.88 213.65,159.5 213.65,157.72 214.37,157.01 U35#5.4 ; 213.6,165 v1(213.6,164.95) ; 224.95,165.35 v1(224.95,164.95) ; 224.95,165.35 225.14,165.54 225.14,169.36 225,169.5 D13#5.5 ; 224.95,165.35 224.95,161.65 224.64,161.34 C40#5.1 224.64,159.99 224.17,159.52 224.17,157.53 224.69,157.01 225.71,157.01 U8#4.4 ; D34#5.2 182.05,171.82 180.9,170.68 180.9,158.92 v1(181.1,158.54) ; R14#8.2 219.06,80.2 R23#7.2 ; v1(207.1,68) 207.52,68.42 207.52,70.38 206.91,70.99 206.14,70.99 205.35,71.78 206.12,72.56 D40#8.5 ; R40#8.2 212.12,81.3 R27#8.2 R25#7.2 212.08,79.27 R11#8.2 ; v1(202.58,60.67) 202.58,60.24 202.43,60.1 202.43,51.09 203.15,50.37 207.21,50.37 210.74,46.83 213.63,46.83 214.9,48.1 214.9,49.65 214.55,50 D29#7.2 ; R14#9.2 134.06,80.2 R23#9.2 ; R11#9.2 127.08,79.27 R25#9.2 R27#9.2 127.12,81.3 R40#9.2 ; D29#9.2 129.55,50 129.9,49.65 129.9,48.1 128.63,46.83 125.74,46.83 122.21,50.37 118.15,50.37 117.43,51.09 117.43,60.1 117.58,60.24 v1(117.58,60.67) ; v1(122.1,68) 122.52,68.42 122.52,70.38 121.91,70.99 121.14,70.99 120.35,71.78 121.12,72.56 D40#9.5 ; R23#8.2 49.06,80.2 R14#7.2 ; R11#7.2 42.08,79.27 R25#8.2 R27#7.2 42.12,81.3 R40#7.2 ; v1(32.58,60.67) 32.58,60.24 32.43,60.1 32.43,51.09 33.15,50.37 37.21,50.37 40.74,46.83 43.63,46.83 44.9,48.1 44.9,49.65 44.55,50 D29#8.2 ; D40#7.5 36.12,72.56 35.35,71.78 36.14,70.99 36.91,70.99 37.52,70.38 37.52,68.42 v1(37.1,68) ; 44.09,72.65 44.33,72.41 v1(44.91,72.41) 44.91,70.83 43.6,69.52 43.6,68 ; 47.16,64.2 46.3,64.2 44.96,65.54 44.96,67.67 45.18,67.88 U36#9.4 ; 43.6,68 43.6,64.57 44.03,64.14 C79#8.1 44.03,62.88 43.65,62.5 43.65,60.72 44.37,60.01 U35#7.4 ; 43.6,68 v1(43.6,67.95) ; 54.95,68.35 v1(54.95,67.95) ; 54.95,68.35 55.14,68.54 55.14,72.36 55,72.5 D13#7.5 ; 54.95,68.35 54.95,64.65 54.64,64.34 C40#8.1 54.64,62.99 54.17,62.52 54.17,60.53 54.69,60.01 55.71,60.01 U8#9.4 ; v1(47.7,68) 47.7,70 46.8,70.9 46.5,70.9 46.25,71.15 46.25,72.2 46.55,72.5 47.56,72.5 ; v1(11.1,61.54) 10.9,61.92 10.9,73.68 12.05,74.82 D34#9.2 ; U36#8.4 130.18,67.88 129.96,67.67 129.96,65.54 131.3,64.2 132.16,64.2 ; 129.09,72.65 129.33,72.41 v1(129.91,72.41) 129.91,70.83 128.6,69.52 128.6,68 ; v1(132.7,68) 132.7,70 131.8,70.9 131.5,70.9 131.25,71.15 131.25,72.2 131.55,72.5 132.56,72.5 ; 139.95,68.35 v1(139.95,67.95) ; 139.95,68.35 139.95,64.65 139.64,64.34 C40#9.1 139.64,62.99 139.17,62.52 139.17,60.53 139.69,60.01 140.71,60.01 U8#8.4 ; 139.95,68.35 140.14,68.54 140.14,72.36 140,72.5 D13#9.5 ; 128.6,68 128.6,64.57 129.03,64.14 C79#9.1 129.03,62.88 128.65,62.5 128.65,60.72 129.37,60.01 U35#9.4 ; 128.6,68 v1(128.6,67.95) ; v1(96.1,61.54) 95.9,61.92 95.9,73.68 97.05,74.82 D34#8.2 ; 214.09,72.65 214.33,72.41 v1(214.91,72.41) 214.91,70.83 213.6,69.52 213.6,68 ; 213.6,68 213.6,64.57 214.03,64.14 C79#7.1 214.03,62.88 213.65,62.5 213.65,60.72 214.37,60.01 U35#8.4 ; 213.6,68 v1(213.6,67.95) ; U36#7.4 215.18,67.88 214.96,67.67 214.96,65.54 216.3,64.2 217.16,64.2 ; v1(217.7,68) 217.7,70 216.8,70.9 216.5,70.9 216.25,71.15 216.25,72.2 216.55,72.5 217.56,72.5 ; v1(181.1,61.54) 180.9,61.92 180.9,73.68 182.05,74.82 D34#7.2 ; U8#7.4 225.71,60.01 224.69,60.01 224.17,60.53 224.17,62.52 224.64,62.99 C40#7.1 224.64,64.34 224.95,64.65 224.95,68.35 ; 224.95,68.35 v1(224.95,67.95) ; 224.95,68.35 225.14,68.54 225.14,72.36 225,72.5 D13#8.5 ; 43.6,262 43.6,263.52 44.91,264.83 v1(44.91,266.41) 44.33,266.41 44.09,266.65 ; 43.6,262 43.6,258.57 44.03,258.14 C79.1 44.03,256.88 43.65,256.5 43.65,254.72 44.37,254.01 U35.4 ; 43.6,262 v1(43.6,261.95) ; U36.4 45.18,261.88 44.96,261.67 44.96,259.54 46.3,258.2 47.16,258.2 ; 54.95,262.35 v1(54.95,261.95) ; 54.95,262.35 54.95,258.65 54.64,258.34 C40.1 54.64,256.99 54.17,256.52 54.17,254.53 54.69,254.01 55.71,254.01 U8.4 ; 54.95,262.35 55.14,262.54 55.14,266.36 55,266.5 D13.5 ; D34.2 12.05,268.82 10.9,267.68 10.9,255.92 v1(11.1,255.54) ; 47.56,266.5 46.55,266.5 46.25,266.2 46.25,265.15 46.5,264.9 46.8,264.9 47.7,264 v1(47.7,262) ; R23.2 49.06,274.2 R14.2 ; D29.2 44.55,244 44.9,243.65 44.9,242.1 43.63,240.83 40.74,240.83 37.21,244.37 33.15,244.37 32.43,245.09 32.43,254.1 32.58,254.24 v1(32.58,254.67) ; v1(37.1,262) 37.52,262.42 37.52,264.38 36.91,264.99 36.14,264.99 35.35,265.78 36.12,266.56 D40.5 ; R11.2 42.08,273.27 R25.2 R27.2 42.12,275.3 R40.2
  Top w0.305: R7#2.1 143.74,272.04 141.96,270.26 141.96,266.07 v1(141.2,265.31) ; R23#2.2 134.06,272.73 134.06,272.73 134.52,272.27 134.52,270.39 132.21,268.08 131.51,268.08 131.45,268.02 131.45,267.87 131.28,267.87 131.01,267.6 v1(130.78,267.6) ; D16#2.5 134.1,204.73 134.1,203.21 134.16,203.15 135.71,203.15 136.12,203.56 136.12,203.64 136.14,203.66 136.14,207.74 136.12,207.75 136.12,210.53 137.31,211.72 137.31,213.79 137.49,213.98 137.52,213.98 ; C41#2.1 159.9,238.7 160,238.8 160,239.3 ; C7#2.1 142.3,260.5 142,260.2 v1(142,259.7) 142,259.19 142.29,258.9 142.72,258.9 ; 147.1,249.59 147.34,249.59 147.35,249.6 U2#2.11 ; v1(102,255.6) 105.3,255.6 110.7,255.6 113.58,255.6 C78#2.1 113.64,255.48 v1(114.28,254.85) 114.57,254.55 114.57,248.37 113.6,247.4 107.53,247.4 105,244.88 105,241.38 103.68,240.06 J4#2.1 103.68,236.38 v1(103.3,236) ; 160,239.3 v1(160,239.4) ; 160,239.3 U2#2.45 ; v1(96.1,255.54) 96.11,255.37 96.11,241.21 TP5#2.1 ; R7#3.1 228.74,272.04 226.96,270.26 226.96,266.07 v1(226.2,265.31) ; R23#3.2 219.06,272.73 219.06,272.73 219.52,272.27 219.52,270.39 217.21,268.08 216.51,268.08 216.45,268.02 216.45,267.87 216.28,267.87 216.01,267.6 v1(215.78,267.6) ; D16#3.5 219.1,204.73 219.1,203.21 219.16,203.15 220.71,203.15 221.12,203.56 221.12,203.64 221.14,203.66 221.14,207.74 221.12,207.75 221.12,210.53 222.31,211.72 222.31,213.79 222.49,213.98 222.52,213.98 ; C41#3.1 244.9,238.7 245,238.8 245,239.3 ; 232.1,249.59 232.34,249.59 232.35,249.6 U2#3.11 ; 245,239.3 v1(245,239.4) ; 245,239.3 U2#3.45 ; v1(187,255.6) 190.3,255.6 195.7,255.6 198.58,255.6 C78#3.1 198.64,255.48 v1(199.28,254.85) 199.57,254.55 199.57,248.37 198.6,247.4 192.53,247.4 190,244.88 190,241.38 188.68,240.06 J4#3.1 188.68,236.38 v1(188.3,236) ; 227.73,258.9 227.29,258.9 227,259.19 v1(227,259.7) 227,260.2 227.3,260.5 227.73,260.5 ; TP5#3.1 181.11,241.21 181.11,255.37 v1(181.1,255.54) ; v1(215.78,170.6) 216.01,170.6 216.28,170.87 216.45,170.87 216.45,171.02 216.51,171.08 217.21,171.08 219.52,173.39 219.52,175.27 219.06,175.73 219.06,175.73 R23#5.2 ; R7#5.1 228.74,175.04 226.96,173.26 226.96,169.07 v1(226.2,168.31) ; 222.52,116.98 222.49,116.98 222.31,116.79 222.31,114.72 221.12,113.53 221.12,110.75 221.14,110.74 221.14,106.66 221.12,106.64 221.12,106.56 220.71,106.15 219.16,106.15 219.1,106.21 219.1,107.73 D16#4.5 ; R7#6.1 143.74,175.04 141.96,173.26 141.96,169.07 v1(141.2,168.31) ; R23#6.2 134.06,175.73 134.06,175.73 134.52,175.27 134.52,173.39 132.21,171.08 131.51,171.08 131.45,171.02 131.45,170.87 131.28,170.87 131.01,170.6 v1(130.78,170.6) ; D16#5.5 134.1,107.73 134.1,106.21 134.16,106.15 135.71,106.15 136.12,106.56 136.12,106.64 136.14,106.66 136.14,110.74 136.12,110.75 136.12,113.53 137.31,114.72 137.31,116.79 137.49,116.98 137.52,116.98 ; R7#4.1 58.74,175.04 56.96,173.26 56.96,169.07 v1(56.2,168.31) ; R23#4.2 49.06,175.73 49.06,175.73 49.52,175.27 49.52,173.39 47.21,171.08 46.51,171.08 46.45,171.02 46.45,170.87 46.28,170.87 46.01,170.6 v1(45.78,170.6) ; D16#6.5 49.1,107.73 49.1,106.21 49.16,106.15 50.71,106.15 51.12,106.56 51.12,106.64 51.14,106.66 51.14,110.74 51.12,110.75 51.12,113.53 52.31,114.72 52.31,116.79 52.49,116.98 52.52,116.98 ; C41#4.1 74.9,141.7 75,141.8 75,142.3 ; 57.72,163.5 57.3,163.5 57,163.2 v1(57,162.7) 57,162.19 57.29,161.9 57.72,161.9 ; 62.1,152.59 62.34,152.59 62.35,152.6 U2#4.11 ; v1(17,158.6) 20.3,158.6 25.7,158.6 28.58,158.6 C78#6.1 28.64,158.48 v1(29.27,157.85) 29.57,157.55 29.57,151.37 28.6,150.4 22.53,150.4 20,147.88 20,144.38 18.68,143.06 J4#4.1 18.68,139.38 v1(18.3,139) ; 75,142.3 v1(75,142.4) ; 75,142.3 U2#4.45 ; v1(11.1,158.54) 11.11,158.37 11.11,144.21 TP5#4.1 ; C41#6.1 159.9,141.7 160,141.8 160,142.3 ; 147.1,152.59 147.34,152.59 147.35,152.6 U2#6.11 ; 160,142.3 v1(160,142.4) ; 160,142.3 U2#6.45 ; v1(102,158.6) 105.3,158.6 110.7,158.6 113.58,158.6 C78#4.1 113.64,158.48 v1(114.28,157.85) 114.57,157.55 114.57,151.37 113.6,150.4 107.53,150.4 105,147.88 105,144.38 103.68,143.06 J4#6.1 103.68,139.38 v1(103.3,139) ; 142.72,161.9 142.29,161.9 142,162.19 v1(142,162.7) 142,163.2 142.3,163.5 C7#4.1 ; TP5#6.1 96.11,144.21 96.11,158.37 v1(96.1,158.54) ; 232.1,152.59 232.34,152.59 232.35,152.6 U2#5.11 ; C41#5.1 244.9,141.7 245,141.8 245,142.3 ; 227.73,163.5 227.3,163.5 227,163.2 v1(227,162.7) 227,162.19 227.29,161.9 227.73,161.9 ; 245,142.3 v1(245,142.4) ; 245,142.3 U2#5.45 ; v1(187,158.6) 190.3,158.6 195.7,158.6 198.58,158.6 C78#5.1 198.64,158.48 v1(199.28,157.85) 199.57,157.55 199.57,151.37 198.6,150.4 192.53,150.4 190,147.88 190,144.38 188.68,143.06 J4#5.1 188.68,139.38 v1(188.3,139) ; v1(181.1,158.54) 181.11,158.37 181.11,144.21 TP5#5.1 ; v1(215.78,73.6) 216.01,73.6 216.28,73.87 216.45,73.87 216.45,74.02 216.51,74.08 217.21,74.08 219.52,76.39 219.52,78.27 219.06,78.73 219.06,78.73 R23#7.2 ; R7#8.1 228.74,78.04 226.96,76.26 226.96,72.07 v1(226.2,71.31) ; D16#7.5 219.1,10.73 219.1,9.21 219.16,9.15 220.71,9.15 221.12,9.56 221.12,9.64 221.14,9.66 221.14,13.74 221.12,13.75 221.12,16.53 222.31,17.72 222.31,19.79 222.49,19.98 222.52,19.98 ; R7#9.1 143.74,78.04 141.96,76.26 141.96,72.07 v1(141.2,71.31) ; 137.52,19.98 137.49,19.98 137.31,19.79 137.31,17.72 136.12,16.53 136.12,13.75 136.14,13.74 136.14,9.66 136.12,9.64 136.12,9.56 135.71,9.15 134.16,9.15 134.1,9.21 134.1,10.73 D16#8.5 ; v1(130.78,73.6) 131.01,73.6 131.28,73.87 131.45,73.87 131.45,74.02 131.51,74.08 132.21,74.08 134.52,76.39 134.52,78.27 134.06,78.73 134.06,78.73 R23#9.2 ; R7#7.1 58.74,78.04 56.96,76.26 56.96,72.07 v1(56.2,71.31) ; R23#8.2 49.06,78.73 49.06,78.73 49.52,78.27 49.52,76.39 47.21,74.08 46.51,74.08 46.45,74.02 46.45,73.87 46.28,73.87 46.01,73.6 v1(45.78,73.6) ; D16#9.5 49.1,10.73 49.1,9.21 49.16,9.15 50.71,9.15 51.12,9.56 51.12,9.64 51.14,9.66 51.14,13.74 51.12,13.75 51.12,16.53 52.31,17.72 52.31,19.79 52.49,19.98 52.52,19.98 ; C41#7.1 74.9,44.7 75,44.8 75,45.3 ; 62.1,55.59 62.34,55.59 62.35,55.6 U2#7.11 ; 57.72,64.9 57.29,64.9 57,65.19 v1(57,65.7) 57,66.2 57.3,66.5 57.72,66.5 ; 75,45.3 v1(75,45.4) ; 75,45.3 U2#7.45 ; v1(17,61.6) 20.3,61.6 25.7,61.6 28.58,61.6 C78#8.1 28.64,61.48 v1(29.27,60.85) 29.57,60.55 29.57,54.37 28.6,53.4 22.53,53.4 20,50.88 20,47.38 18.68,46.06 J4#7.1 18.68,42.38 v1(18.3,42) ; v1(11.1,61.54) 11.11,61.37 11.11,47.21 TP5#7.1 ; C41#9.1 159.9,44.7 160,44.8 160,45.3 ; 147.1,55.59 147.34,55.59 147.35,55.6 U2#9.11 ; 160,45.3 v1(160,45.4) ; 160,45.3 U2#9.45 ; 142.72,64.9 142.29,64.9 142,65.19 v1(142,65.7) 142,66.2 142.3,66.5 C7#8.1 ; TP5#9.1 96.11,47.21 96.11,61.37 v1(96.1,61.54) ; v1(103.3,42) 103.68,42.38 J4#9.1 103.68,46.06 105,47.38 105,50.88 107.53,53.4 113.6,53.4 114.57,54.37 114.57,60.55 v1(114.28,60.85) 113.64,61.48 C78#9.1 113.58,61.6 110.7,61.6 105.3,61.6 v1(102,61.6) ; 232.1,55.59 232.34,55.59 232.35,55.6 U2#8.11 ; C41#8.1 244.9,44.7 245,44.8 245,45.3 ; 227.73,66.5 227.3,66.5 227,66.2 v1(227,65.7) 227,65.19 227.29,64.9 227.73,64.9 ; v1(187,61.6) 190.3,61.6 195.7,61.6 198.58,61.6 C78#7.1 198.64,61.48 v1(199.28,60.85) 199.57,60.55 199.57,54.37 198.6,53.4 192.53,53.4 190,50.88 190,47.38 188.68,46.06 J4#8.1 188.68,42.38 v1(188.3,42) ; 245,45.3 U2#8.45 ; 245,45.3 v1(245,45.4) ; TP5#8.1 181.11,47.21 181.11,61.37 v1(181.1,61.54) ; R23.2 49.06,272.73 49.06,272.73 49.52,272.27 49.52,270.39 47.21,268.08 46.51,268.08 46.45,268.02 46.45,267.87 46.28,267.87 46.01,267.6 v1(45.78,267.6) ; v1(18.3,236) 18.68,236.38 J4.1 18.68,240.06 20,241.38 20,244.88 22.53,247.4 28.6,247.4 29.57,248.37 29.57,254.55 v1(29.27,254.85) 28.64,255.48 C78.1 28.58,255.6 25.7,255.6 20.3,255.6 v1(17,255.6) ; C41.1 74.9,238.7 75,238.8 75,239.3 ; 75,239.3 U2.45 ; 75,239.3 v1(75,239.4) ; 57.72,260.5 57.3,260.5 57,260.2 v1(57,259.7) 57,259.19 57.29,258.9 57.72,258.9 ; U2.11 62.35,249.6 62.34,249.59 62.1,249.59 ; 52.52,213.98 52.49,213.98 52.31,213.79 52.31,211.72 51.12,210.53 51.12,207.75 51.14,207.74 51.14,203.66 51.12,203.64 51.12,203.56 50.71,203.15 49.16,203.15 49.1,203.21 49.1,204.73 D16.5 ; v1(11.1,255.54) 11.11,255.37 11.11,241.21 TP5.1 ; v1(56.2,265.31) 56.96,266.07 56.96,270.26 58.74,272.04 R7.1